# Altium PCB keyboard.PcbDoc (part 1 of 2) (continued)
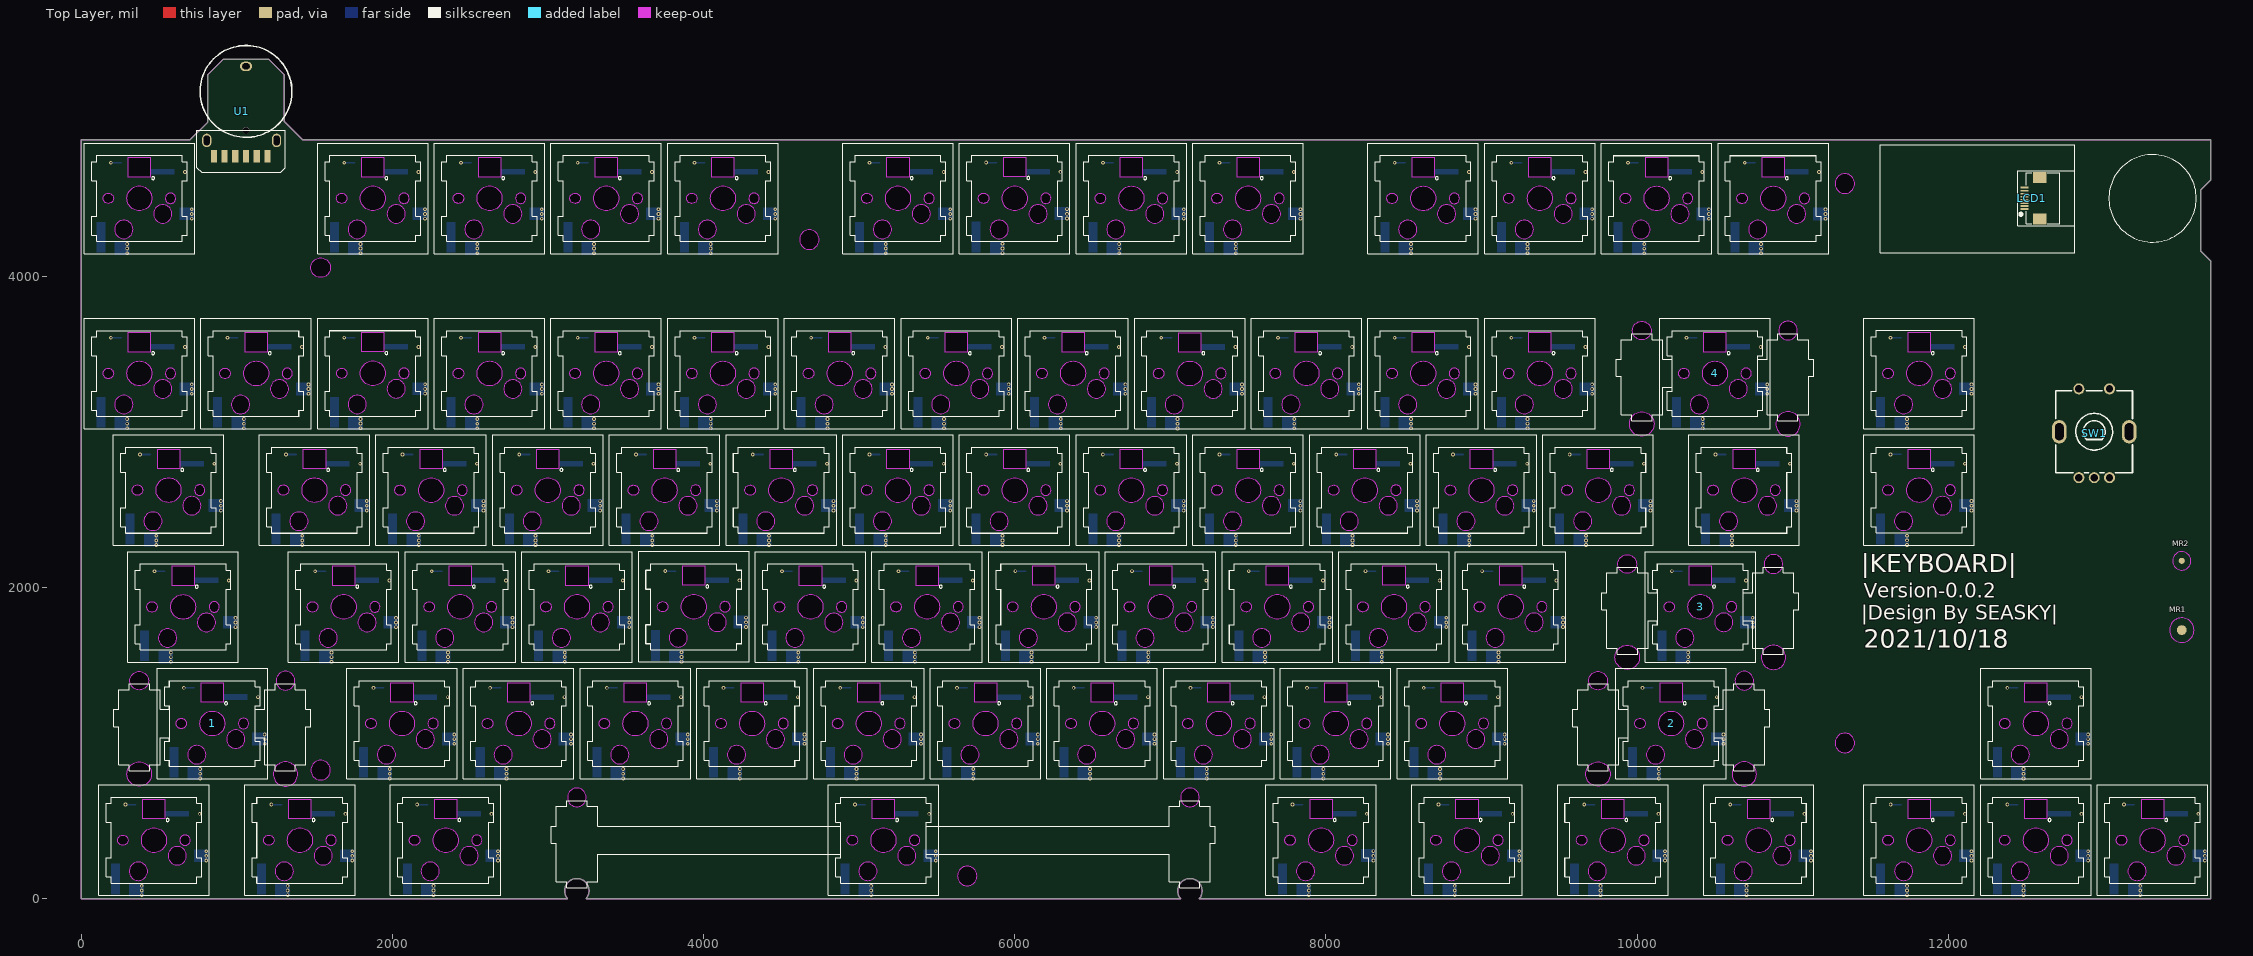
[diagram p0: Top Layer view]
## Components (designator, comment, footprint, x,y, rotation, side; value= is the part's Value field where it differs from the comment) (continued)
D1_KEY37 "1N4148W-7-F" SOD-123 8570.39,802.4 r180 bottom locked (schematic designator D1)
D1_KEY38 "1N4148W-7-F" SOD-123 4914.39,52.4 r180 bottom locked (schematic designator D1)
D1_KEY39 "1N4148W-7-F" SOD-123 11570.39,52.4 r180 bottom locked (schematic designator D1)
D1_KEY40 "1N4148W-7-F" SOD-123 1632.88,4177.44 r180 bottom locked (schematic designator D1)
D1_KEY41 "1N4148W-7-F" SOD-123 5007.88,4177.44 r180 bottom locked (schematic designator D1)
D1_KEY42 "1N4148W-7-F" SOD-123 9132.88,4177.44 r180 bottom locked (schematic designator D1)
D1_KEY43 "1N4148W-7-F" SOD-123 3132.88,3052.44 r180 bottom locked (schematic designator D1)
D1_KEY44 "1N4148W-7-F" SOD-123 6132.88,3052.44 r180 bottom locked (schematic designator D1)
D1_KEY45 "1N4148W-7-F" SOD-123 320.11,2302.22 r180 bottom locked (schematic designator D1)
D1_KEY46 "1N4148W-7-F" SOD-123 5007.71,2302.06 r180 bottom locked (schematic designator D1)
D1_KEY47 "1N4148W-7-F" SOD-123 9507.71,2302.06 r180 bottom locked (schematic designator D1)
D1_KEY48 "1N4148W-7-F" SOD-123 3695.71,1553.06 r180 bottom locked (schematic designator D1)
D1_KEY49 "1N4148W-7-F" SOD-123 8195.39,1552.4 r180 bottom locked (schematic designator D1)
D1_KEY50 "1N4148W-7-F" SOD-123 4820.39,802.4 r180 bottom locked (schematic designator D1)
D1_KEY51 "1N4148W-7-F" SOD-123 7820.39,802.4 r180 bottom locked (schematic designator D1)
D1_KEY52 "1N4148W-7-F" SOD-123 2101.39,52.4 r180 bottom locked (schematic designator D1)
D1_KEY53 "1N4148W-7-F" SOD-123 11570.36,2302.47 r180 bottom locked (schematic designator D1)
D1_KEY54 "1N4148W-7-F" SOD-123 132.88,4177.44 r180 bottom locked (schematic designator D1)
D1_KEY55 "1N4148W-7-F" SOD-123 3882.88,4177.44 r180 bottom locked (schematic designator D1)
D1_KEY56 "1N4148W-7-F" SOD-123 8383.11,4177.22 r180 bottom locked (schematic designator D1)
D1_KEY57 "1N4148W-7-F" SOD-123 2382.95,3052.22 r180 bottom locked (schematic designator D1)
D1_KEY58 "1N4148W-7-F" SOD-123 10632.71,4177.06 r180 bottom locked (schematic designator D1)
D1_KEY59 "1N4148W-7-F" SOD-123 10257.95,3052.22 r180 bottom locked (schematic designator D1)
D1_KEY60 "1N4148W-7-F" SOD-123 4257.71,2302.06 r180 bottom locked (schematic designator D1)
D1_KEY61 "1N4148W-7-F" SOD-123 8757.71,2302.06 r180 bottom locked (schematic designator D1)
D1_KEY62 "1N4148W-7-F" SOD-123 2945.11,1552.22 r180 bottom locked (schematic designator D1)
D1_KEY63 "1N4148W-7-F" SOD-123 7445.39,1552.4 r180 bottom locked (schematic designator D1)
D1_KEY64 "1N4148W-7-F" SOD-123 3320.39,802.4 r180 bottom locked (schematic designator D1)
D1_KEY65 "1N4148W-7-F" SOD-123 7070.39,802.4 r180 bottom locked (schematic designator D1)
D1_KEY66 "1N4148W-7-F" SOD-123 1164.39,52.4 r180 bottom locked (schematic designator D1)
D1_KEY67 "1N4148W-7-F" SOD-123 10539.39,52.4 r180 bottom locked (schematic designator D1)
D1_KEY68 "1N4148W-7-F" SOD-123 3132.88,4177.44 r180 bottom locked (schematic designator D1)
D1_KEY69 "1N4148W-7-F" SOD-123 7257.88,4177.44 r180 bottom locked (schematic designator D1)
D1_KEY70 "1N4148W-7-F" SOD-123 1633,3053 r180 bottom locked (schematic designator D1)
D1_KEY71 "1N4148W-7-F" SOD-123 883.11,3052.22 r180 bottom locked (schematic designator D1)
D1_KEY72 "1N4148W-7-F" SOD-123 9132.88,3052.44 r180 bottom locked (schematic designator D1)
D1_KEY73 "1N4148W-7-F" SOD-123 3507.71,2302.06 r180 bottom locked (schematic designator D1)
D1_KEY74 "1N4148W-7-F" SOD-123 8007.71,2302.06 r180 bottom locked (schematic designator D1)
D1_KEY75 "1N4148W-7-F" SOD-123 2195.11,1552.22 r180 bottom locked (schematic designator D1)
D1_KEY76 "1N4148W-7-F" SOD-123 6695.39,1552.4 r180 bottom locked (schematic designator D1)
D1_KEY77 "1N4148W-7-F" SOD-123 2570.39,802.4 r180 bottom locked (schematic designator D1)
D1_KEY78 "1N4148W-7-F" SOD-123 9601.39,52.4 r180 bottom locked (schematic designator D1)
D1_KEY79 "1N4148W-7-F" SOD-123 6320.39,802.4 r180 bottom locked (schematic designator D1)
D1_KEY80 "1N4148W-7-F" SOD-123 226.39,52.4 r180 bottom locked (schematic designator D1)
KEY_G1_KEY1 "KEY_G" GATERON 11812.48,3375.03 r0 top locked (schematic designator KEY_G1)
KEY_G1_KEY2 "KEY_G" GATERON 5625,3375 r0 top locked (schematic designator KEY_G1)
KEY_G1_KEY3 "KEY_G" GATERON 7875,3375 r0 top locked (schematic designator KEY_G1)
KEY_G1_KEY4 "KEY_G" GATERON 2999.83,2624.62 r0 top locked (schematic designator KEY_G1)
KEY_G1_KEY5 "KEY_G" GATERON 7499.83,2624.62 r0 top locked (schematic designator KEY_G1)
KEY_G1_KEY6 "KEY_G" GATERON 1687.83,1874.62 r0 top locked (schematic designator KEY_G1)
KEY_G1_KEY7 "KEY_G" GATERON 6187.51,1874.96 r0 top locked (schematic designator KEY_G1)
KEY_G1_KEY8 "KEY_G" GATERON 2062.51,1124.96 r0 top locked (schematic designator KEY_G1)
KEY_G1_KEY9 "KEY_G" GATERON 5812.51,1124.96 r0 top locked (schematic designator KEY_G1)
KEY_G1_KEY10 "KEY_G" GATERON 12562.51,1124.96 r0 top locked (schematic designator KEY_G1)
KEY_G1_KEY11 "KEY_G" GATERON 8906.51,374.96 r0 top locked (schematic designator KEY_G1)
KEY_G1_KEY12 "KEY_G" GATERON 13312.51,374.96 r0 top locked (schematic designator KEY_G1)
KEY_G1_KEY13 "KEY_G" GATERON 6750.23,4499.78 r0 top locked (schematic designator KEY_G1)
KEY_G1_KEY14 "KEY_G" GATERON 375,3375 r0 top locked (schematic designator KEY_G1)
KEY_G1_KEY15 "KEY_G" GATERON 4875.23,3374.78 r0 top locked (schematic designator KEY_G1)
KEY_G1_KEY16 "KEY_G" GATERON 8625.23,3374.78 r0 top locked (schematic designator KEY_G1)
KEY_G1_KEY17 "KEY_G" GATERON 2249.83,2624.62 r0 top locked (schematic designator KEY_G1)
KEY_G1_KEY18 "KEY_G" GATERON 6749.83,2624.62 r0 top locked (schematic designator KEY_G1)
KEY_G1_KEY19 "KEY_G" GATERON 655.95,1874.5 r0 top locked (schematic designator KEY_G1)
KEY_G1_KEY20 "KEY_G" GATERON 5437.23,1874.78 r0 top locked (schematic designator KEY_G1)
KEY_G1_KEY21 "KEY_G" GATERON 844,1125 r0 top locked (schematic designator KEY_G1)
KEY_G1_KEY22 "KEY_G" GATERON 4312.51,1124.96 r0 top locked (schematic designator KEY_G1)
KEY_G1_KEY23 "KEY_G" GATERON 10218.51,1124.96 r0 top locked (schematic designator KEY_G1)
KEY_G1_KEY24 "KEY_G" GATERON 7969,375 r0 top locked (schematic designator KEY_G1)
KEY_G1_KEY25 "KEY_G" GATERON 12562.51,374.96 r0 top locked (schematic designator KEY_G1)
KEY_G1_KEY26 "KEY_G" GATERON 2625,4500 r0 top locked (schematic designator KEY_G1)
KEY_G1_KEY27 "KEY_G" GATERON 6000,4500 r0 top locked (schematic designator KEY_G1)
KEY_G1_KEY28 "KEY_G" GATERON 10124.83,4499.62 r0 top locked (schematic designator KEY_G1)
KEY_G1_KEY29 "KEY_G" GATERON 4125,3375 r0 top locked (schematic designator KEY_G1)
KEY_G1_KEY30 "KEY_G" GATERON 7125.12,3374.56 r0 top locked (schematic designator KEY_G1)
KEY_G1_KEY31 "KEY_G" GATERON 1500.07,2624.78 r0 top locked (schematic designator KEY_G1)
KEY_G1_KEY32 "KEY_G" GATERON 5999.83,2624.62 r0 top locked (schematic designator KEY_G1)
KEY_G1_KEY33 "KEY_G" GATERON 10687.83,2624.62 r0 top locked (schematic designator KEY_G1)
KEY_G1_KEY34 "KEY_G" GATERON 4687.83,1874.62 r0 top locked (schematic designator KEY_G1)
KEY_G1_KEY35 "KEY_G" GATERON 10406.51,1874.96 r0 top locked (schematic designator KEY_G1)
KEY_G1_KEY36 "KEY_G" GATERON 9187.51,1874.96 r0 top locked (schematic designator KEY_G1)
KEY_G1_KEY37 "KEY_G" GATERON 8812.51,1124.96 r0 top locked (schematic designator KEY_G1)
KEY_G1_KEY38 "KEY_G" GATERON 5156.51,374.96 r0 top locked (schematic designator KEY_G1)
KEY_G1_KEY39 "KEY_G" GATERON 11812.51,374.96 r0 top locked (schematic designator KEY_G1)
KEY_G1_KEY40 "KEY_G" GATERON 1875,4500 r0 top locked (schematic designator KEY_G1)
KEY_G1_KEY41 "KEY_G" GATERON 5250,4500 r0 top locked (schematic designator KEY_G1)
KEY_G1_KEY42 "KEY_G" GATERON 9375,4500 r0 top locked (schematic designator KEY_G1)
KEY_G1_KEY43 "KEY_G" GATERON 3375,3375 r0 top locked (schematic designator KEY_G1)
KEY_G1_KEY44 "KEY_G" GATERON 6375,3375 r0 top locked (schematic designator KEY_G1)
KEY_G1_KEY45 "KEY_G" GATERON 562.23,2624.78 r0 top locked (schematic designator KEY_G1)
KEY_G1_KEY46 "KEY_G" GATERON 5249.83,2624.62 r0 top locked (schematic designator KEY_G1)
KEY_G1_KEY47 "KEY_G" GATERON 9749.83,2624.62 r0 top locked (schematic designator KEY_G1)
KEY_G1_KEY48 "KEY_G" GATERON 3937.83,1875.62 r0 top locked (schematic designator KEY_G1)
KEY_G1_KEY49 "KEY_G" GATERON 8437.51,1874.96 r0 top locked (schematic designator KEY_G1)
KEY_G1_KEY50 "KEY_G" GATERON 5062.51,1124.96 r0 top locked (schematic designator KEY_G1)
KEY_G1_KEY51 "KEY_G" GATERON 8062.51,1124.96 r0 top locked (schematic designator KEY_G1)
KEY_G1_KEY52 "KEY_G" GATERON 2343.51,374.96 r0 top locked (schematic designator KEY_G1)
KEY_G1_KEY53 "KEY_G" GATERON 11812.48,2625.03 r0 top locked (schematic designator KEY_G1)
KEY_G1_KEY54 "KEY_G" GATERON 375,4500 r0 top locked (schematic designator KEY_G1)
KEY_G1_KEY55 "KEY_G" GATERON 4125,4500 r0 top locked (schematic designator KEY_G1)
KEY_G1_KEY56 "KEY_G" GATERON 8625.23,4499.78 r0 top locked (schematic designator KEY_G1)
KEY_G1_KEY57 "KEY_G" GATERON 2625.07,3374.78 r0 top locked (schematic designator KEY_G1)
KEY_G1_KEY58 "KEY_G" GATERON 10874.83,4499.62 r0 top locked (schematic designator KEY_G1)
KEY_G1_KEY59 "KEY_G" GATERON 10500.07,3374.78 r0 top locked (schematic designator KEY_G1)
KEY_G1_KEY60 "KEY_G" GATERON 4499.83,2624.62 r0 top locked (schematic designator KEY_G1)
KEY_G1_KEY61 "KEY_G" GATERON 8999.83,2624.62 r0 top locked (schematic designator KEY_G1)
KEY_G1_KEY62 "KEY_G" GATERON 3187.23,1874.78 r0 top locked (schematic designator KEY_G1)
KEY_G1_KEY63 "KEY_G" GATERON 7687.51,1874.96 r0 top locked (schematic designator KEY_G1)
KEY_G1_KEY64 "KEY_G" GATERON 3562.51,1124.96 r0 top locked (schematic designator KEY_G1)
KEY_G1_KEY65 "KEY_G" GATERON 7312.51,1124.96 r0 top locked (schematic designator KEY_G1)
KEY_G1_KEY66 "KEY_G" GATERON 1406.51,374.96 r0 top locked (schematic designator KEY_G1)
KEY_G1_KEY67 "KEY_G" GATERON 10781.51,374.96 r0 top locked (schematic designator KEY_G1)
KEY_G1_KEY68 "KEY_G" GATERON 3375,4500 r0 top locked (schematic designator KEY_G1)
KEY_G1_KEY69 "KEY_G" GATERON 7500,4500 r0 top locked (schematic designator KEY_G1)
KEY_G1_KEY70 "KEY_G" GATERON 1875.12,3375.56 r0 top locked (schematic designator KEY_G1)
KEY_G1_KEY71 "KEY_G" GATERON 1125.23,3374.78 r0 top locked (schematic designator KEY_G1)
KEY_G1_KEY72 "KEY_G" GATERON 9375,3375 r0 top locked (schematic designator KEY_G1)
KEY_G1_KEY73 "KEY_G" GATERON 3749.83,2624.62 r0 top locked (schematic designator KEY_G1)
KEY_G1_KEY74 "KEY_G" GATERON 8249.83,2624.62 r0 top locked (schematic designator KEY_G1)
KEY_G1_KEY75 "KEY_G" GATERON 2437.23,1874.78 r0 top locked (schematic designator KEY_G1)
KEY_G1_KEY76 "KEY_G" GATERON 6937.51,1874.96 r0 top locked (schematic designator KEY_G1)
KEY_G1_KEY77 "KEY_G" GATERON 2812.51,1124.96 r0 top locked (schematic designator KEY_G1)
KEY_G1_KEY78 "KEY_G" GATERON 9843.51,374.96 r0 top locked (schematic designator KEY_G1)
KEY_G1_KEY79 "KEY_G" GATERON 6562.51,1124.96 r0 top locked (schematic designator KEY_G1)
KEY_G1_KEY80 "KEY_G" GATERON 468.51,374.96 r0 top locked (schematic designator KEY_G1)
LCD1 "FPC1.0-8P" "FPC0.5 2H-WS-8P" 12586.26,4499.85 r90 top locked
MR1 "MARK1.6" "Mark 1.6" 13500,1725 r0 top
MR2 "MARK1.0" "Mark 1" 13500,2170 r0 top
MR3 "MARK1.6" "Mark 1.6" 13500,1725 r180 bottom
MR4 "MARK1.0" "Mark 1" 13500,2170 r180 bottom
R1 "100R" "R 0805_M" 10751.26,3629.85 r0 bottom locked
R2 "100R" "R 0805_M" 12063.76,3625.01 r0 bottom locked
R3 "100R" "R 0805_M" 13563.76,624.85 r0 bottom locked
RGB1_KEY1 "RGB" WS2812 11811.49,3575.03 r0 top locked (schematic designator RGB1)
RGB1_KEY2 "RGB" WS2812 5624.02,3575 r0 top locked (schematic designator RGB1)
RGB1_KEY3 "RGB" WS2812 7874.02,3575 r0 top locked (schematic designator RGB1)
RGB1_KEY4 "RGB" WS2812 2998.85,2824.62 r0 top locked (schematic designator RGB1)
RGB1_KEY5 "RGB" WS2812 7498.85,2824.62 r0 top locked (schematic designator RGB1)
RGB1_KEY6 "RGB" WS2812 1686.85,2074.62 r0 top locked (schematic designator RGB1)
RGB1_KEY7 "RGB" WS2812 6186.53,2074.96 r0 top locked (schematic designator RGB1)
RGB1_KEY8 "RGB" WS2812 2061.53,1324.96 r0 top locked (schematic designator RGB1)
RGB1_KEY9 "RGB" WS2812 5811.53,1324.96 r0 top locked (schematic designator RGB1)
RGB1_KEY10 "RGB" WS2812 12561.53,1324.96 r0 top locked (schematic designator RGB1)
RGB1_KEY11 "RGB" WS2812 8905.53,574.96 r0 top locked (schematic designator RGB1)
RGB1_KEY12 "RGB" WS2812 13311.53,574.96 r0 top locked (schematic designator RGB1)
RGB1_KEY13 "RGB" WS2812 6749.24,4699.78 r0 top locked (schematic designator RGB1)
RGB1_KEY14 "RGB" WS2812 374.02,3575 r0 top locked (schematic designator RGB1)
RGB1_KEY15 "RGB" WS2812 4874.24,3574.78 r0 top locked (schematic designator RGB1)
RGB1_KEY16 "RGB" WS2812 8624.24,3574.78 r0 top locked (schematic designator RGB1)
RGB1_KEY17 "RGB" WS2812 2248.85,2824.62 r0 top locked (schematic designator RGB1)
RGB1_KEY18 "RGB" WS2812 6748.85,2824.62 r0 top locked (schematic designator RGB1)
RGB1_KEY19 "RGB" WS2812 654.96,2074.5 r0 top locked (schematic designator RGB1)
RGB1_KEY20 "RGB" WS2812 5436.24,2074.78 r0 top locked (schematic designator RGB1)
RGB1_KEY21 "RGB" WS2812 843.02,1325 r0 top locked (schematic designator RGB1)
RGB1_KEY22 "RGB" WS2812 4311.53,1324.96 r0 top locked (schematic designator RGB1)
RGB1_KEY23 "RGB" WS2812 10217.53,1324.96 r0 top locked (schematic designator RGB1)
RGB1_KEY24 "RGB" WS2812 7968.02,575 r0 top locked (schematic designator RGB1)
RGB1_KEY25 "RGB" WS2812 12561.53,574.96 r0 top locked (schematic designator RGB1)
RGB1_KEY26 "RGB" WS2812 2624.02,4700 r0 top locked (schematic designator RGB1)
RGB1_KEY27 "RGB" WS2812 5999.02,4700.78 r0 top locked (schematic designator RGB1)
RGB1_KEY28 "RGB" WS2812 10123.85,4699.62 r0 top locked (schematic designator RGB1)
RGB1_KEY29 "RGB" WS2812 4124.02,3575 r0 top locked (schematic designator RGB1)
RGB1_KEY30 "RGB" WS2812 7124.13,3574.56 r0 top locked (schematic designator RGB1)
RGB1_KEY31 "RGB" WS2812 1499.09,2824.78 r0 top locked (schematic designator RGB1)
RGB1_KEY32 "RGB" WS2812 5998.85,2824.62 r0 top locked (schematic designator RGB1)
RGB1_KEY33 "RGB" WS2812 10686.85,2824.62 r0 top locked (schematic designator RGB1)
RGB1_KEY34 "RGB" WS2812 4686.85,2074.62 r0 top locked (schematic designator RGB1)
RGB1_KEY35 "RGB" WS2812 10405.53,2074.96 r0 top locked (schematic designator RGB1)
RGB1_KEY36 "RGB" WS2812 9186.53,2074.96 r0 top locked (schematic designator RGB1)
RGB1_KEY37 "RGB" WS2812 8811.53,1324.96 r0 top locked (schematic designator RGB1)
RGB1_KEY38 "RGB" WS2812 5155.53,574.96 r0 top locked (schematic designator RGB1)
RGB1_KEY39 "RGB" WS2812 11811.53,574.96 r0 top locked (schematic designator RGB1)
RGB1_KEY40 "RGB" WS2812 1874.02,4700 r0 top locked (schematic designator RGB1)
RGB1_KEY41 "RGB" WS2812 5249.02,4700 r0 top locked (schematic designator RGB1)
RGB1_KEY42 "RGB" WS2812 9374.02,4700 r0 top locked (schematic designator RGB1)
RGB1_KEY43 "RGB" WS2812 3374.02,3575 r0 top locked (schematic designator RGB1)
RGB1_KEY44 "RGB" WS2812 6374.02,3575 r0 top locked (schematic designator RGB1)
RGB1_KEY45 "RGB" WS2812 561.25,2824.78 r0 top locked (schematic designator RGB1)
RGB1_KEY46 "RGB" WS2812 5248.85,2824.62 r0 top locked (schematic designator RGB1)
RGB1_KEY47 "RGB" WS2812 9748.85,2824.62 r0 top locked (schematic designator RGB1)
RGB1_KEY48 "RGB" WS2812 3936.85,2075.62 r0 top locked (schematic designator RGB1)
RGB1_KEY49 "RGB" WS2812 8436.53,2074.96 r0 top locked (schematic designator RGB1)
RGB1_KEY50 "RGB" WS2812 5061.53,1324.96 r0 top locked (schematic designator RGB1)
RGB1_KEY51 "RGB" WS2812 8061.53,1324.96 r0 top locked (schematic designator RGB1)
RGB1_KEY52 "RGB" WS2812 2342.53,574.96 r0 top locked (schematic designator RGB1)
RGB1_KEY53 "RGB" WS2812 11811.49,2825.03 r0 top locked (schematic designator RGB1)
RGB1_KEY54 "RGB" WS2812 374.02,4700 r0 top locked (schematic designator RGB1)
RGB1_KEY55 "RGB" WS2812 4124.02,4700 r0 top locked (schematic designator RGB1)
RGB1_KEY56 "RGB" WS2812 8624.24,4699.78 r0 top locked (schematic designator RGB1)
RGB1_KEY57 "RGB" WS2812 2624.09,3574.78 r0 top locked (schematic designator RGB1)
RGB1_KEY58 "RGB" WS2812 10873.85,4699.62 r0 top locked (schematic designator RGB1)
RGB1_KEY59 "RGB" WS2812 10499.08,3574.78 r0 top locked (schematic designator RGB1)
RGB1_KEY60 "RGB" WS2812 4498.85,2824.62 r0 top locked (schematic designator RGB1)
RGB1_KEY61 "RGB" WS2812 8998.85,2824.62 r0 top locked (schematic designator RGB1)
RGB1_KEY62 "RGB" WS2812 3186.25,2074.78 r0 top locked (schematic designator RGB1)
RGB1_KEY63 "RGB" WS2812 7686.53,2074.96 r0 top locked (schematic designator RGB1)
RGB1_KEY64 "RGB" WS2812 3561.53,1324.96 r0 top locked (schematic designator RGB1)
RGB1_KEY65 "RGB" WS2812 7311.53,1324.96 r0 top locked (schematic designator RGB1)
RGB1_KEY66 "RGB" WS2812 1405.53,574.96 r0 top locked (schematic designator RGB1)
RGB1_KEY67 "RGB" WS2812 10780.53,574.96 r0 top locked (schematic designator RGB1)
RGB1_KEY68 "RGB" WS2812 3374.02,4700 r0 top locked (schematic designator RGB1)
RGB1_KEY69 "RGB" WS2812 7499.02,4700 r0 top locked (schematic designator RGB1)
RGB1_KEY70 "RGB" WS2812 1874.13,3575.56 r0 top locked (schematic designator RGB1)
RGB1_KEY71 "RGB" WS2812 1124.25,3574.78 r0 top locked (schematic designator RGB1)
RGB1_KEY72 "RGB" WS2812 9374.02,3575 r0 top locked (schematic designator RGB1)
RGB1_KEY73 "RGB" WS2812 3748.85,2824.62 r0 top locked (schematic designator RGB1)
RGB1_KEY74 "RGB" WS2812 8248.85,2824.62 r0 top locked (schematic designator RGB1)
RGB1_KEY75 "RGB" WS2812 2436.25,2074.78 r0 top locked (schematic designator RGB1)
RGB1_KEY76 "RGB" WS2812 6936.53,2074.96 r0 top locked (schematic designator RGB1)
RGB1_KEY77 "RGB" WS2812 2811.53,1324.96 r0 top locked (schematic designator RGB1)
RGB1_KEY78 "RGB" WS2812 9842.53,574.96 r0 top locked (schematic designator RGB1)
RGB1_KEY79 "RGB" WS2812 6561.53,1324.96 r0 top locked (schematic designator RGB1)
RGB1_KEY80 "RGB" WS2812 467.53,574.96 r0 top locked (schematic designator RGB1)
SW1 "EC11" BOURNS_PEC11R-4XXXF-SXXXX 12937.48,2990.19 r0 top locked
U1 "EVQW2001" "EVQWK2001 - duplicate" 1060,4785.39 r270 top locked

## Footprints (in the part's own frame and the unit in brackets; to place one, negate y for a bottom-side part, rotate by r counter-clockwise, add the part's x,y. Pads: shape width x height; smd on the part's side, far side on the other; paste and mask are expansions set on the pad)
1X2 [mil] "stab"
  Keep-Out Layer board cut-out: -470,215 -492.96,219.57 -512.43,232.57 -525.43,252.04 -530,275 -530,275 -525.43,297.96 -512.43,317.43 -492.96,330.43 -470,335 -470,335 -447.04,330.43 -427.57,317.43 -414.57,297.96 -410,275 -410,275 -414.57,252.04 -427.57,232.57 -447.04,219.57 -470,215
  Keep-Out Layer board cut-out: 410,275 414.57,252.04 427.57,232.57 447.04,219.57 470,215 470,215 492.96,219.57 512.43,232.57 525.43,252.04 530,275 530,275 525.43,297.96 512.43,317.43 492.96,330.43 470,335 470,335 447.04,330.43 427.57,317.43 414.57,297.96 410,275
  Keep-Out Layer board cut-out: -470,-403.5 -500.04,-397.52 -525.51,-380.51 -542.52,-355.04 -548.5,-325 -548.5,-325 -542.52,-294.96 -525.51,-269.49 -500.04,-252.48 -470,-246.5 -470,-246.5 -439.96,-252.48 -414.49,-269.49 -397.48,-294.96 -391.5,-325 -391.5,-325 -397.48,-355.04 -414.49,-380.51 -439.96,-397.52 -470,-403.5
  Keep-Out Layer board cut-out: 391.5,-325 397.48,-355.04 414.49,-380.51 439.96,-397.52 470,-403.5 470,-403.5 500.04,-397.52 525.51,-380.51 542.52,-355.04 548.5,-325 548.5,-325 542.52,-294.96 525.51,-269.49 500.04,-252.48 470,-246.5 470,-246.5 439.96,-252.48 414.49,-269.49 397.48,-294.96 391.5,-325
0805 [mil]
  rect 50x50 smd: 1(45,0) 2(-45,0)
  silkscreen extent -81,-36 81,36
BOURNS_PEC11R-4XXXF-SXXXX [mm]
  round 1.8 hole 1.2: 1(-2.5,7.25) 2(2.5,7.25) A(-2.5,-7.25) B(2.5,-7.25) C(0,-7.25)
  oval 2.4x3.8 hole 1.4 slot 2.8 at 90 deg: MT1(-5.7,0.25) MT2(5.7,0.25)
  silkscreen extent -6.25,-6.45 6.25,6.95, body extent -5.7,-7.43 6.01,7.52, height 24.5
"EVQWK2001 - duplicate" [mm]
  rect 2x1 smd: 1(0.4,3.5) 2(0.4,1.75) 3(0.4,0) 4(0.4,-1.75) 5(0.4,-3.5) 6(0.4,-5.25)
  oval 1.5x2 hole 1 slot 1.2 at 90 deg: 7(-14.3,0)
  oval 2.2x1.5 hole 1 slot 1.6 at 0 deg: 8(-2.2,5) 8(-2.2,-6.4)
  round 1.1 hole 1.1 unplated: ""(-3.8,0)
  silkscreen extent -17.7,-8.03 3.01,7.5, body extent -17.73,-7.4 0.36,7.6, height 5.4
"FPC0.5 2H-WS-8P" [mm] "长：8.2mm，宽：5.2mm，高：2mm 淘宝ID:黄晶宝石   店铺网址:https://shop463601444.taobao.com"
  rect 1.8x2.2 smd: 0(-3.4,0) 0(3.4,0)
  rect 0.3x1.3 smd: 1(-1.75,2.497) 2(-1.25,2.497) 3(-0.75,2.497) 4(-0.25,2.497) 5(0.25,2.497) 6(0.75,2.497) 7(1.25,2.497) 8(1.75,2.497)
  silkscreen extent -4.17,-3.3 4.17,3.23, body extent -4.1,-3.15 4.1,2.85, height 2
"FPC0.5 2H-WS-40P" [mm] "长：24.2mm，宽：5.2mm，高：2mm 淘宝ID:黄晶宝石   店铺网址:https://shop463601444.taobao.com"
  rect 1.8x2.2 smd: 0(-11.4,0) 0(11.4,0)
  rect 0.3x1.3 smd: 1(-9.75,2.497) 2(-9.25,2.497) 3(-8.75,2.497) 4(-8.25,2.497) 5(-7.75,2.497) 6(-7.25,2.497) 7(-6.75,2.497) 8(-6.25,2.497) 9(-5.75,2.497) 10(-5.25,2.497) 11(-4.75,2.497) 12(-4.25,2.497) 13(-3.75,2.497) 14(-3.25,2.497) 15(-2.75,2.497) 16(-2.25,2.497) 17(-1.75,2.497) 18(-1.25,2.497) 19(-0.75,2.497) 20(-0.25,2.497) 21(0.25,2.497) 22(0.75,2.497) 23(1.25,2.497) 24(1.75,2.497) 25(2.25,2.497) 26(2.75,2.497) 27(3.25,2.497) 28(3.75,2.497) 29(4.25,2.497) 30(4.75,2.497) 31(5.25,2.497) 32(5.75,2.497) 33(6.25,2.497) 34(6.75,2.497) 35(7.25,2.497) 36(7.75,2.497) 37(8.25,2.497) 38(8.75,2.497) 39(9.25,2.497) 40(9.75,2.497)
  silkscreen extent -12.17,-3.3 12.17,3.23, body extent -12.1,-3.15 12.1,2.85, height 2
GATERON [mm]
  rect 1.9x2.5 smd far side: 1(7.188,-2.54) 2(-5.918,-5.08)
  Keep-Out Layer board cut-out: -4.04,-5.08 -3.926,-5.654 -3.601,-6.141 -3.114,-6.466 -2.54,-6.58 -2.54,-6.58 -1.966,-6.466 -1.479,-6.141 -1.154,-5.654 -1.04,-5.08 -1.04,-5.08 -1.154,-4.506 -1.479,-4.019 -1.966,-3.694 -2.54,-3.58 -2.54,-3.58 -3.114,-3.694 -3.601,-4.019 -3.926,-4.506 -4.04,-5.08
  Keep-Out Layer board cut-out: 2.31,-2.54 2.424,-3.114 2.749,-3.601 3.236,-3.926 3.81,-4.04 3.81,-4.04 4.384,-3.926 4.871,-3.601 5.196,-3.114 5.31,-2.54 5.31,-2.54 5.196,-1.966 4.871,-1.479 4.384,-1.154 3.81,-1.04 3.81,-1.04 3.236,-1.154 2.749,-1.479 2.424,-1.966 2.31,-2.54
  Keep-Out Layer board cut-out: 4.229,0 4.294,-0.326 4.478,-0.602 4.754,-0.786 5.08,-0.851 5.08,-0.851 5.406,-0.786 5.682,-0.602 5.866,-0.326 5.931,0 5.931,0 5.866,0.326 5.682,0.602 5.406,0.786 5.08,0.851 5.08,0.851 4.754,0.786 4.478,0.602 4.294,0.326 4.229,0
  Keep-Out Layer board cut-out: 0,-2.032 -0.778,-1.877 -1.437,-1.437 -1.877,-0.778 -2.032,0 -2.032,0 -1.877,0.778 -1.437,1.437 -0.778,1.877 0,2.032 0,2.032 0.778,1.877 1.437,1.437 1.877,0.778 2.032,0 2.032,0 1.877,-0.778 1.437,-1.437 0.778,-1.877 0,-2.032
  Keep-Out Layer board cut-out: -5.08,-0.851 -5.406,-0.786 -5.682,-0.602 -5.866,-0.326 -5.931,0 -5.931,0 -5.866,0.326 -5.682,0.602 -5.406,0.786 -5.08,0.851 -5.08,0.851 -4.754,0.786 -4.478,0.602 -4.294,0.326 -4.229,0 -4.229,0 -4.294,-0.326 -4.478,-0.602 -4.754,-0.786 -5.08,-0.851
  silkscreen extent -9.02,-9.02 9.02,9.02, body extent -6.9,-6.81 8,-0.92, height 2.1
"Mark 1" [mm] "光学定位点，直径1mm"
  round 1 smd paste-1 mask+0.7: Mark(0,0)
  Keep-Out Layer circle w0.1: c0,0 r1.5
"Mark 1.6" [mm] "光学定位点，直径1.6mm"
  round 1.6 smd paste-1.6 mask+0.9: Mark(0,0)
  Keep-Out Layer circle w0.1: c0,0 r2
"R 0805_M" [mil] "1/8W贴片电阻"
  rect 50x50 smd: 1(-45,0) 2(45,0)
  silkscreen extent -81,-36 81,36, body extent -39,-25 39,25, height 20
SOD-123 [mm]
  rect 1x0.8 smd: 1(0,0)
  oct 1x0.8 smd: 2(-2.8,0)
  silkscreen extent -3.51,-0.76 0.71,0.76, body extent -2.71,-0.67 -0.06,0.63, height 1
WS2812 [mm]
  rect 1.7x0.9 smd far side: 3(2.875,-0.75) 4(2.875,0.75) 6(-2.825,-0.75)
  oct 1.8x0.9 smd far side: 5(-2.875,0.75)
  Keep-Out Layer board cut-out: -1.775,-1.6 -1.775,1.6 1.825,1.6 1.825,1.6 1.825,-1.6
  silkscreen extent 2,-2.03 2.5,-1.53, body extent -1.72,-1.4 1.78,1.4, height 0.9

## Part data
5: library part FPC-40P, "FPC连接器", BOM名称=FPC连接器, 学习资源=https://lmdzstyle.taobao.com/, 版权归属=黎明电子style
C1_KEY1 C1_KEY2 C1_KEY3 C1_KEY4 C1_KEY5 C1_KEY6 C1_KEY7 C1_KEY8 C1_KEY9 C1_KEY10 C1_KEY11 C1_KEY12 C1_KEY13 C1_KEY14 C1_KEY15 C1_KEY16 C1_KEY17 C1_KEY18 C1_KEY19 C1_KEY20 C1_KEY21 C1_KEY22 C1_KEY23 C1_KEY24 C1_KEY25 C1_KEY26 C1_KEY27 C1_KEY28 C1_KEY29 C1_KEY30 C1_KEY31 C1_KEY32 C1_KEY33 C1_KEY34 C1_KEY35 C1_KEY36 C1_KEY37 C1_KEY38 C1_KEY39 C1_KEY40 C1_KEY41 C1_KEY42 C1_KEY43 C1_KEY44 C1_KEY45 C1_KEY46 C1_KEY47 C1_KEY48 C1_KEY49 C1_KEY50 C1_KEY51 C1_KEY52 C1_KEY53 C1_KEY54 C1_KEY55 C1_KEY56 C1_KEY57 C1_KEY58 C1_KEY59 C1_KEY60 C1_KEY61 C1_KEY62 C1_KEY63 C1_KEY64 C1_KEY65 C1_KEY66 C1_KEY67 C1_KEY68 C1_KEY69 C1_KEY70 C1_KEY71 C1_KEY72 C1_KEY73 C1_KEY74 C1_KEY75 C1_KEY76 C1_KEY77 C1_KEY78 C1_KEY79 C1_KEY80: library part C, "贴片电容"
D1_KEY1 D1_KEY2 D1_KEY3 D1_KEY4 D1_KEY5 D1_KEY6 D1_KEY7 D1_KEY8 D1_KEY9 D1_KEY10 D1_KEY11 D1_KEY12 D1_KEY13 D1_KEY14 D1_KEY15 D1_KEY16 D1_KEY17 D1_KEY18 D1_KEY19 D1_KEY20 D1_KEY21 D1_KEY22 D1_KEY23 D1_KEY24 D1_KEY25 D1_KEY26 D1_KEY27 D1_KEY28 D1_KEY29 D1_KEY30 D1_KEY31 D1_KEY32 D1_KEY33 D1_KEY34 D1_KEY35 D1_KEY36 D1_KEY37 D1_KEY38 D1_KEY39 D1_KEY40 D1_KEY41 D1_KEY42 D1_KEY43 D1_KEY44 D1_KEY45 D1_KEY46 D1_KEY47 D1_KEY48 D1_KEY49 D1_KEY50 D1_KEY51 D1_KEY52 D1_KEY53 D1_KEY54 D1_KEY55 D1_KEY56 D1_KEY57 D1_KEY58 D1_KEY59 D1_KEY60 D1_KEY61 D1_KEY62 D1_KEY63 D1_KEY64 D1_KEY65 D1_KEY66 D1_KEY67 D1_KEY68 D1_KEY69 D1_KEY70 D1_KEY71 D1_KEY72 D1_KEY73 D1_KEY74 D1_KEY75 D1_KEY76 D1_KEY77 D1_KEY78 D1_KEY79 D1_KEY80: library part 1N4148, "开关二极管"
KEY_G1_KEY1 KEY_G1_KEY2 KEY_G1_KEY3 KEY_G1_KEY4 KEY_G1_KEY5 KEY_G1_KEY6 KEY_G1_KEY7 KEY_G1_KEY8 KEY_G1_KEY9 KEY_G1_KEY10 KEY_G1_KEY11 KEY_G1_KEY12 KEY_G1_KEY13 KEY_G1_KEY14 KEY_G1_KEY15 KEY_G1_KEY16 KEY_G1_KEY17 KEY_G1_KEY18 KEY_G1_KEY19 KEY_G1_KEY20 KEY_G1_KEY21 KEY_G1_KEY22 KEY_G1_KEY23 KEY_G1_KEY24 KEY_G1_KEY25 KEY_G1_KEY26 KEY_G1_KEY27 KEY_G1_KEY28 KEY_G1_KEY29 KEY_G1_KEY30 KEY_G1_KEY31 KEY_G1_KEY32 KEY_G1_KEY33 KEY_G1_KEY34 KEY_G1_KEY35 KEY_G1_KEY36 KEY_G1_KEY37 KEY_G1_KEY38 KEY_G1_KEY39 KEY_G1_KEY40 KEY_G1_KEY41 KEY_G1_KEY42 KEY_G1_KEY43 KEY_G1_KEY44 KEY_G1_KEY45 KEY_G1_KEY46 KEY_G1_KEY47 KEY_G1_KEY48 KEY_G1_KEY49 KEY_G1_KEY50 KEY_G1_KEY51 KEY_G1_KEY52 KEY_G1_KEY53 KEY_G1_KEY54 KEY_G1_KEY55 KEY_G1_KEY56 KEY_G1_KEY57 KEY_G1_KEY58 KEY_G1_KEY59 KEY_G1_KEY60 KEY_G1_KEY61 KEY_G1_KEY62 KEY_G1_KEY63 KEY_G1_KEY64 KEY_G1_KEY65 KEY_G1_KEY66 KEY_G1_KEY67 KEY_G1_KEY68 KEY_G1_KEY69 KEY_G1_KEY70 KEY_G1_KEY71 KEY_G1_KEY72 KEY_G1_KEY73 KEY_G1_KEY74 KEY_G1_KEY75 KEY_G1_KEY76 KEY_G1_KEY77 KEY_G1_KEY78 KEY_G1_KEY79 KEY_G1_KEY80: library part GATERON, "with Fixation pins  1-Pole w/Diode"
LCD1: library part FPC-8P, "FPC连接器", BOM名称=FPC连接器, 学习资源=https://lmdzstyle.taobao.com/, 版权归属=黎明电子style
MR1 MR2 MR3 MR4: library part MARK, "光学定位点"
R1 R2 R3: library part R, "贴片电阻"
RGB1_KEY1 RGB1_KEY2 RGB1_KEY3 RGB1_KEY4 RGB1_KEY5 RGB1_KEY6 RGB1_KEY7 RGB1_KEY8 RGB1_KEY9 RGB1_KEY10 RGB1_KEY11 RGB1_KEY12 RGB1_KEY13 RGB1_KEY14 RGB1_KEY15 RGB1_KEY16 RGB1_KEY17 RGB1_KEY18 RGB1_KEY19 RGB1_KEY20 RGB1_KEY21 RGB1_KEY22 RGB1_KEY23 RGB1_KEY24 RGB1_KEY25 RGB1_KEY26 RGB1_KEY27 RGB1_KEY28 RGB1_KEY29 RGB1_KEY30 RGB1_KEY31 RGB1_KEY32 RGB1_KEY33 RGB1_KEY34 RGB1_KEY35 RGB1_KEY36 RGB1_KEY37 RGB1_KEY38 RGB1_KEY39 RGB1_KEY40 RGB1_KEY41 RGB1_KEY42 RGB1_KEY43 RGB1_KEY44 RGB1_KEY45 RGB1_KEY46 RGB1_KEY47 RGB1_KEY48 RGB1_KEY49 RGB1_KEY50 RGB1_KEY51 RGB1_KEY52 RGB1_KEY53 RGB1_KEY54 RGB1_KEY55 RGB1_KEY56 RGB1_KEY57 RGB1_KEY58 RGB1_KEY59 RGB1_KEY60 RGB1_KEY61 RGB1_KEY62 RGB1_KEY63 RGB1_KEY64 RGB1_KEY65 RGB1_KEY66 RGB1_KEY67 RGB1_KEY68 RGB1_KEY69 RGB1_KEY70 RGB1_KEY71 RGB1_KEY72 RGB1_KEY73 RGB1_KEY74 RGB1_KEY75 RGB1_KEY76 RGB1_KEY77 RGB1_KEY78 RGB1_KEY79 RGB1_KEY80: library part WS2812, "with Fixation pins  1-Pole w/Diode"
U1: Contributor=jam_dan, spicePre=U, spiceSymbolName=EVQW2001

## Via types
v1: diameter 24, hole 12, Top Layer to Bottom Layer, tented both sides, 640 vias

## Nets (pads, with @x,y where several pads share a name; then routed paths per layer and width w, separated by ;. In a path a pad name is that pad's centre, name@x,y a point inside that pad or via, vN(x,y) a via of type N, cw(c..) or ccw(c..) an arc to the next point about the centre after c; other vN are vias at no path point)
CS: 5.40 LCD1.8